# KiCad board dehumidifier.kicad_pcb
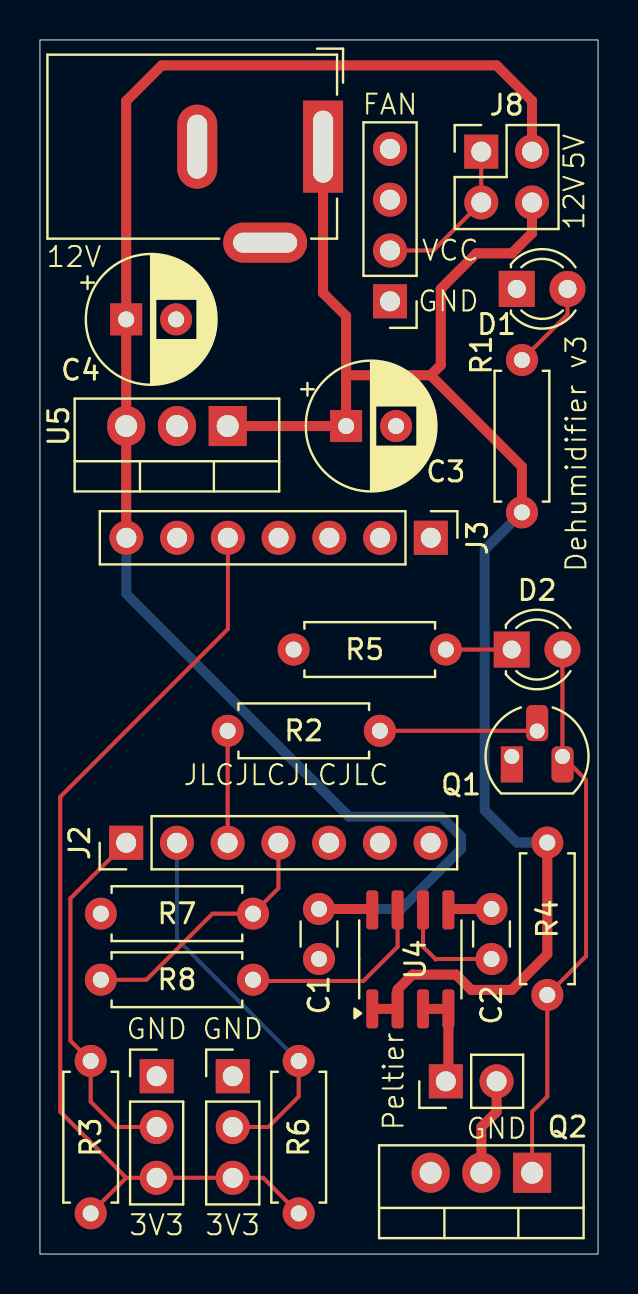
[diagram p0: board, top side]
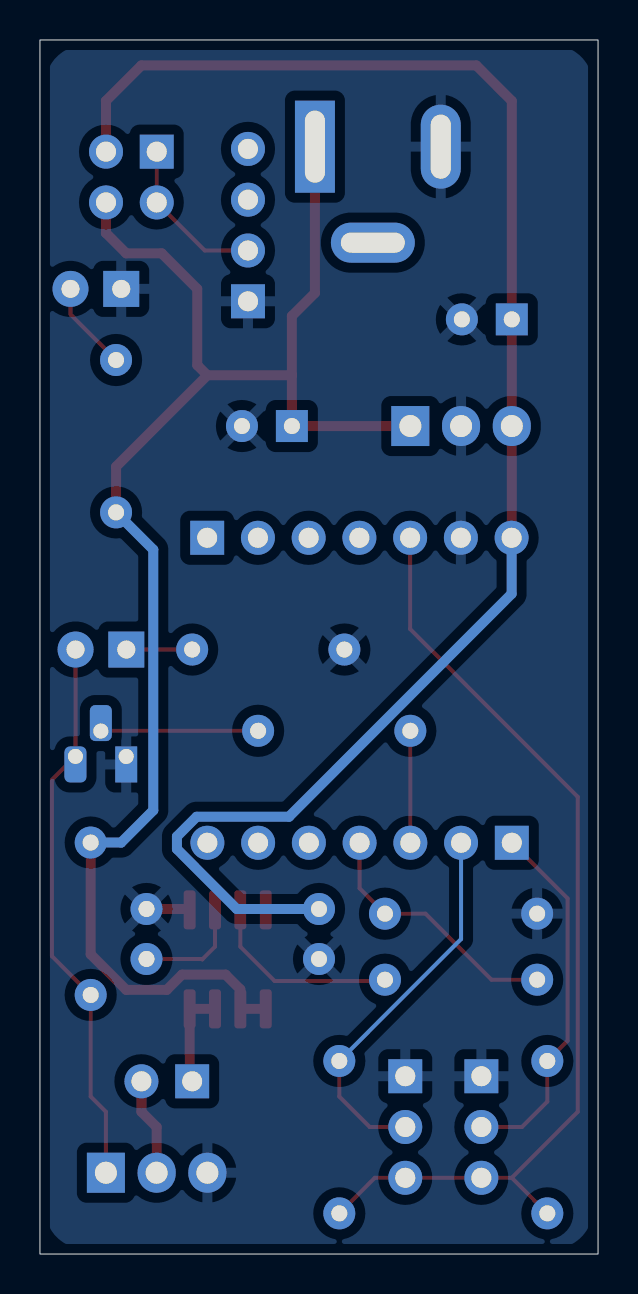
[diagram p1: board, bottom side, seen from below]

Outline 27.94 x 60.71 mm; copper layers: Top, Bottom. Coordinates in mm from the lower left corner of the outline.
Outline path: rectangle 0,60.71 27.94,0

## Placement (name value [footprint] x y rotation side)
C1  100nF  [C_Disc_D3.0mm_W1.6mm_P2.50mm]  13.97 17.25 270 top
C2  100nF  [C_Disc_D3.0mm_W1.6mm_P2.50mm]  22.61 14.75 90 top
C3  C_Polarized  [CP_Radial_D6.3mm_P2.50mm]  15.33 41.4 0 top
C4  C_Polarized  [CP_Radial_D6.3mm_P2.50mm]  4.32 46.74 0 top
D1  LED  [LED_D3.0mm]  23.87 48.26 0 top
D2  LED  [LED_D3.0mm]  23.62 30.23 0 top
J1  Barrel_Jack_Switch  [BarrelJack_GCT_DCJ200-10-A_Horizontal]  14.17 55.37 270 top
J2  Conn_01x07  [PinHeader_1x07_P2.54mm_Vertical]  4.32 20.56 90 top
J3  Conn_01x07  [PinHeader_1x07_P2.54mm_Vertical]  19.57 35.81 270 top
J4  Conn_01x03_Pin  [PinHeader_1x03_P2.54mm_Vertical]  5.84 8.89 0 top
J5  Conn_01x02_Pin  [PinHeader_1x02_P2.54mm_Vertical]  20.32 8.64 90 top
J6  Conn_01x04_Pin  [PinHeader_1x04_P2.54mm_Vertical]  17.53 47.64 180 top
J7  Conn_01x03_Pin  [PinHeader_1x03_P2.54mm_Vertical]  9.65 8.89 0 top
J8  Conn_02x02_Odd_Even  [PinHeader_2x02_P2.54mm_Vertical]  22.09 55.12 0 top
Q1  2N3904  [TO-92_HandSolder]  23.62 24.88 0 top
Q2  Q_NMOS_GDS  [TO-220-3_Vertical]  24.64 4.06 180 top
R1  1K5  [R_Axial_DIN0207_L6.3mm_D2.5mm_P7.62mm_Horizontal]  24.13 44.7 270 top
R2  10K  [R_Axial_DIN0207_L6.3mm_D2.5mm_P7.62mm_Horizontal]  9.4 26.16 0 top
R3  4K7  [R_Axial_DIN0207_L6.3mm_D2.5mm_P7.62mm_Horizontal]  2.54 2.03 90 top
R4  10K  [R_Axial_DIN0207_L6.3mm_D2.5mm_P7.62mm_Horizontal]  25.4 12.95 90 top
R5  470R  [R_Axial_DIN0207_L6.3mm_D2.5mm_P7.62mm_Horizontal]  12.7 30.23 0 top
R6  2K7  [R_Axial_DIN0207_L6.3mm_D2.5mm_P7.62mm_Horizontal]  12.95 2.03 90 top
R7  10K  [R_Axial_DIN0207_L6.3mm_D2.5mm_P7.62mm_Horizontal]  10.67 17.02 180 top
R8  4K7  [R_Axial_DIN0207_L6.3mm_D2.5mm_P7.62mm_Horizontal]  10.67 13.72 180 top
U4  ACS712xLCTR-05B  [SOIC-8_3.9x4.9mm_P1.27mm]  18.54 14.73 90 top
U5  LM78M05_TO220  [TO-220-3_Vertical]  9.4 41.4 180 top

## Library data of the parts
C1 C2 = -: Description: Unpolarized capacitor
C3 C4 = -: Description: Polarized capacitor
D1 D2 = -: Description: Light emitting diode
J1 = -: Description: DC Barrel Jack with an internal switch
J2 J3 = -: Description: Generic connector, single row, 01x07, script generated (kicad-library-utils/schlib/autogen/connector/)
J4 J7 = -: Description: Generic connector, single row, 01x03, script generated
J5 = -: Description: Generic connector, single row, 01x02, script generated
J6 = -: Description: Generic connector, single row, 01x04, script generated
J8 = -: Description: Generic connector, double row, 02x02, odd/even pin numbering scheme (row 1 odd numbers, row 2 even numbers), script generated (kicad-library-utils/schlib/autogen/connector/)
Q1 = -: Description: 0.2A Ic, 40V Vce, Small Signal NPN Transistor, TO-92
Q2 = -: Description: N-MOSFET transistor, gate/drain/source
R1-R8 = -: Description: Resistor
U4 = -: Description: ±5A Bidirectional Hall-Effect Current Sensor, +5.0V supply, 185mV/A, SOIC-8
U5 = -: Description: Positive 500mA 35V Linear Regulator, Fixed Output 5V, TO-220

## Footprints (pads in the part's own frame, mm; a bottom-side part is the same pattern mirrored in y, then rotated)
BarrelJack_GCT_DCJ200-10-A_Horizontal
  rect 4.6x2 hole 3.6x1: 1(0,0)
  oval 4.2x2 hole 3.2x1: 2(0,-6.3)
  oval 2x4.2 hole 1x3.2: 3(4.8,-2.9)
C_Disc_D3.0mm_W1.6mm_P2.50mm
  round 1.6 hole 0.8: 1(0,0) 2(2.5,0)
CP_Radial_D6.3mm_P2.50mm
  rect 1.6x1.6 hole 0.8: 1(0,0)
  round 1.6 hole 0.8: 2(2.5,0)
LED_D3.0mm
  rect 1.8x1.8 hole 0.9: 1(0,0)
  round 1.8 hole 0.9: 2(2.54,0)
PinHeader_1x02_P2.54mm_Vertical
  rect 1.7x1.7 hole 1: 1(0,0)
  oval 1.7x1.7 hole 1: 2(0,-2.54)
PinHeader_1x03_P2.54mm_Vertical
  rect 1.7x1.7 hole 1: 1(0,0)
  oval 1.7x1.7 hole 1: 2(0,-2.54) 3(0,-5.08)
PinHeader_1x04_P2.54mm_Vertical
  rect 1.7x1.7 hole 1: 1(0,0)
  oval 1.7x1.7 hole 1: 2(0,-2.54) 3(0,-5.08) 4(0,-7.62)
PinHeader_1x07_P2.54mm_Vertical
  rect 1.7x1.7 hole 1: 1(0,0)
  oval 1.7x1.7 hole 1: 2(0,-2.54) 3(0,-5.08) 4(0,-7.62) 5(0,-10.16) 6(0,-12.7) 7(0,-15.24)
PinHeader_2x02_P2.54mm_Vertical
  rect 1.7x1.7 hole 1: 1(0,0)
  oval 1.7x1.7 hole 1: 2(2.54,0) 3(0,-2.54) 4(2.54,-2.54)
R_Axial_DIN0207_L6.3mm_D2.5mm_P7.62mm_Horizontal
  round 1.6 hole 0.8: 1(0,0)
  oval 1.6x1.6 hole 0.8: 2(7.62,0)
SOIC-8_3.9x4.9mm_P1.27mm
  rrect 1.95x0.6 smd: 1(-2.475,1.905) 2(-2.475,0.635) 3(-2.475,-0.635) 4(-2.475,-1.905) 5(2.475,-1.905) 6(2.475,-0.635) 7(2.475,0.635) 8(2.475,1.905)
TO-92_HandSolder
  rect 1.1x1.8 hole 0.75: 1(0,0)
  rrect 1.1x1.8 hole 0.75: 2(1.27,1.27) 3(2.54,0)
TO-220-3_Vertical
  rect 1.905x2 hole 1.1: 1(0,0)
  oval 1.905x2 hole 1.1: 2(2.54,0) 3(5.08,0)

## Nets
+3V3: J3.5 J4.3 J7.3 R3.1 R6.1
+5V: C1.1 C4.1 J3.7 J8.2 U4.8 U5.3
+12V: C3.1 J1.1 J8.4 R1.2 R4.2 U4.1 U4.2 U5.1
GND: C1.2 C2.2 C3.2 C4.2 D1.1 J1.2 J3.6 J4.1 J6.1 J7.1 Q1.1 Q2.3 R5.1 R7.2 U4.5 U5.2
CURRENT: J2.4 R7.1 R8.2
DHT11_DATA: J2.1 J4.2 R3.2
DS18B20_DATA: J2.2 J7.2 R6.2
PELTIER_CTRL: J2.3 R2.1
V_FAN: J6.2 J8.1 J8.3
Net-(D1-A): D1.2 R1.1
Net-(D2-A): D2.2 Q1.3 Q2.1 R4.1
Net-(D2-K): D2.1 R5.2
Net-(J5-Pin_1): J5.1 U4.3 U4.4
Net-(J5-Pin_2): J5.2 Q2.2
Net-(Q1-B): Q1.2 R2.2
Net-(U4-FILTER): C2.1 U4.6
Net-(U4-VIOUT): R8.1 U4.7

Pads without a net: J1 3; J2 5 6 7; J3 1 2 3 4; J6 3 4

## Routing (per net, layer and track width the routed paths; a pad name or vN(x,y) marks a point on that pad's centre or on a via; arc(x,y) is an arc through that point)
+3V3: length 48.7
  Top w0.2: 4.32,3.81 J4.3 J7.3 11.18,3.81 R6.1 ; 4.32,3.81 1.02,7.11 1.02,22.86 9.41,31.25 J3.5 ; 4.32,3.81 R3.1
+5V: length 82.4
  Top w0.5: J3.7 4.32,35.82 U5.3 C4.1 4.32,57.66 6.1,59.44 22.86,59.44 24.64,57.66 24.63,57.65 J8.2 ; C1.1 16.59,17.25 U4.8
  Bottom w0.5: J3.7 4.33,33.01 15.47,21.86 20.1,21.86 21.08,20.88 21.08,20.25 18.08,17.25 C1.1
+12V: length 81.3
  Top w0.5: U5.1 C3.1 15.33,43.94 ; J1.1 14.17,48.06 15.33,46.9 15.33,43.94 ; 19.56,43.94 24.13,39.37 R1.2 ; 19.56,43.94 20.07,44.45 20.07,48.26 21.84,50.04 23.62,50.04 24.64,51.05 24.63,51.06 J8.4 ; 19.56,43.94 15.33,43.94 ; R4.2 25.4,14.99 23.62,13.21 21.59,13.21 20.83,13.97 18.65,13.97 17.91,13.23 U4.2 U4.1
  Bottom w0.5: R1.2 22.27,35.22 22.27,22.18 23.88,20.57 R4.2
GND: length 2.2
  Top w0.5: U4.5 20.49,17.25 C2.2
CURRENT: length 13.1
  Top w0.2: R8.2 5.33,13.72 8.64,17.02 R7.1 11.94,18.29 J2.4
DHT11_DATA: length 18.4
  Top w0.2: J2.1 4.31,20.56 1.52,17.78 1.52,10.67 R3.2 2.54,7.62 3.81,6.35 J4.2
DS18B20_DATA: length 19.1
  Top w0.2: J7.2 11.43,6.35 12.95,7.87 R6.2
  Bottom w0.2: J2.2 6.86,15.75 R6.2
PELTIER_CTRL: length 5.6
  Top w0.2: R2.1 J2.3
V_FAN: length 8.1
  Top w0.2: J6.2 19.69,50.18 J8.3 J8.1
Net-(D1-A): length 4.5
  Top w0.2: R1.1 26.41,46.98 D1.2
Net-(D2-A): length 27.8
  Top w0.2: D2.2 26.16,24.89 Q1.3 27.34,23.7 27.34,14.89 R4.1 25.4,7.87 24.64,7.11 Q2.1
Net-(D2-K): length 3.3
  Top w0.2: R5.2 D2.1
Net-(J5-Pin_1): length 4.9
  Top w0.2: 20.45,8.76 J5.1
  Top w0.5: U4.3 U4.4 20.45,8.76
Net-(J5-Pin_2): length 4.9
  Top w0.5: J5.2 22.86,7.11 22.1,6.35 Q2.2
Net-(Q1-B): length 7.9
  Top w0.2: R2.2 24.88,26.16 Q1.2
Net-(U4-FILTER): length 5.5
  Top w0.2: U4.6 19.18,15.37 19.81,14.73 19.83,14.75 C2.1
Net-(U4-VIOUT): length 9.8
  Top w0.2: R8.1 10.73,13.65 16.19,13.65 17.91,15.37 U4.7

## Copper pours and planes (outline as drawn; the poured copper is in the pictures)
GND on Bottom: 0.25,60.45 0.25,0.25 27.69,0.25 27.69,60.45

## Text on the board
F.Silkscreen: GND | VCC | 12V | JLCJLCJLCJLC | 3V3 | FAN | Dehumidifier v3 | 5V | Peltier
